# Altium PCB OctopusPB_r0101.PcbDoc (part 1 of 11) (continued)
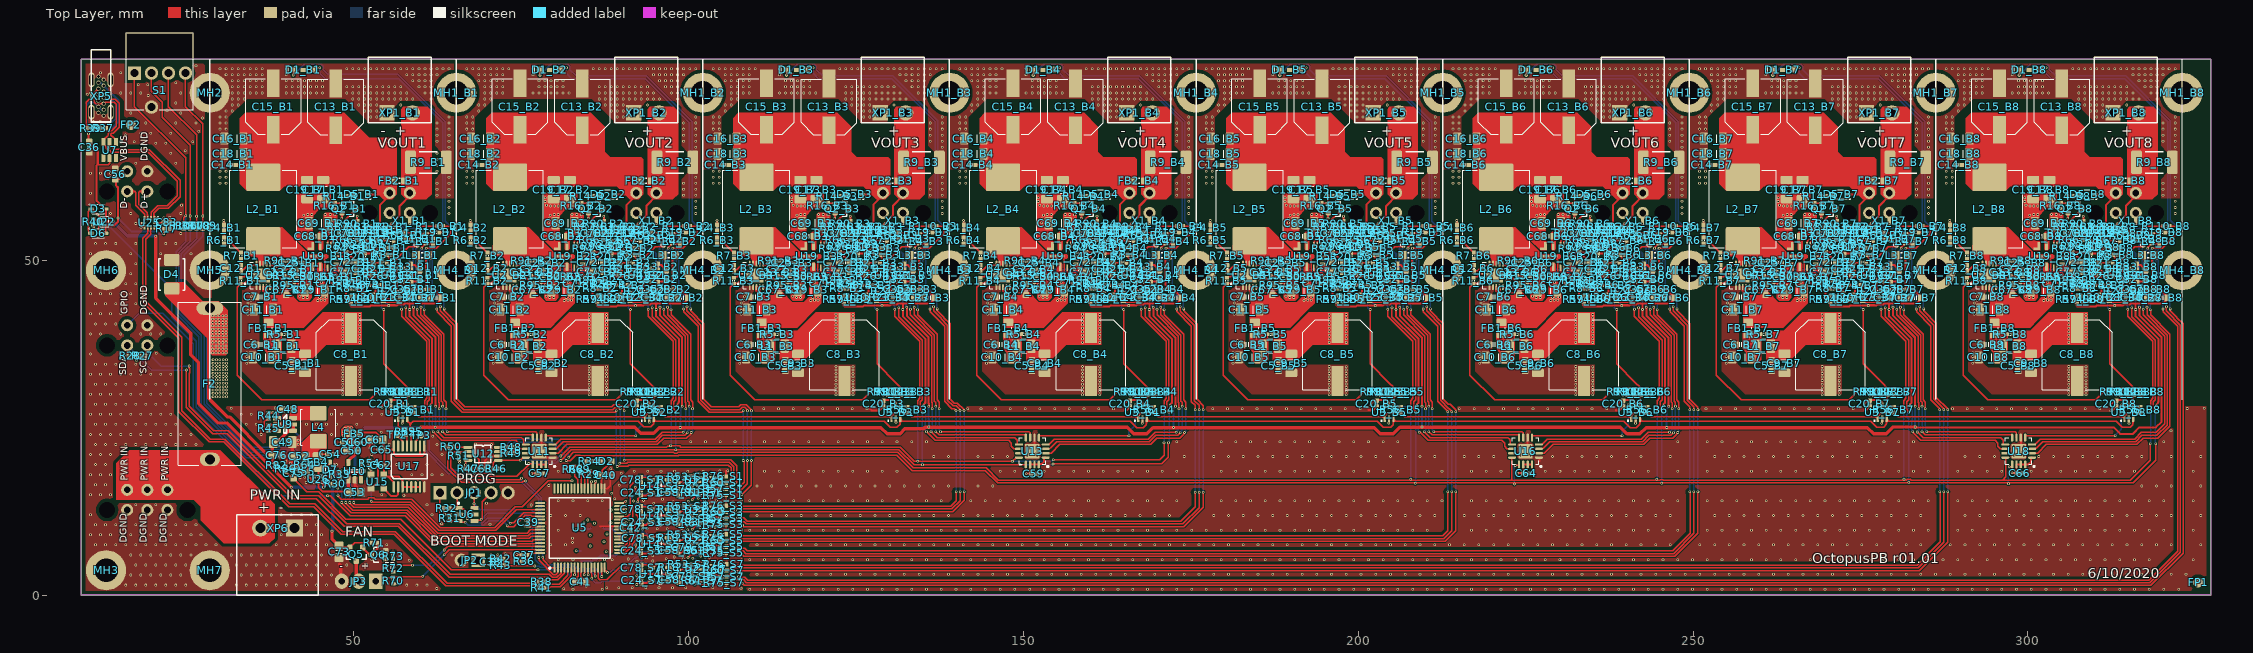
[diagram p0: Top Layer view]
## Classes and differential pairs (continued)
component class B2: C2_B2 C3_B2 C4_B2 C5_B2 C6_B2 C7_B2 C8_B2 C9_B2 C10_B2 C11_B2 C12_B2 C13_B2 C14_B2 C15_B2 C16_B2 C17_B2 C18_B2 C19_B2 C20_B2 C21_B2 C22_B2 C23_B2 C25_B2 C26_B2 C27_B2 C28_B2 C29_B2 C30_B2 C31_B2 C32_B2 C33_B2 C34_B2 C35_B2 C67_B2 C68_B2 C69_B2 C70_B2 C71_B2 C72_B2 C74_B2 C77_B2 D1_B2 D5_B2 FB1_B2 FB2_B2 L1_B2 L2_B2 L3_B2 MH1_B2 MH4_B2 Q1_B2 Q2_B2 R1_B2 R2_B2 R3_B2 R4_B2 R5_B2 R6_B2 R7_B2 R8_B2 R9_B2 R10_B2 R11_B2 R12_B2 R13_B2 R14_B2 R15_B2 R16_B2 R19_B2 R20_B2 R21_B2 R22_B2 R23_B2 R24_B2 R25_B2 R26_B2 R56_B2 R58_B2 R59_B2 R62_B2 R63_B2 R65_B2 R66_B2 R67_B2 R74_B2 R83_B2 R87_B2 R90_B2 R91_B2 R94_B2 R95_B2 R98_B2 R99_B2 R102_B2 R103_B2 R110_B2 U1_B2 U2_B2 U3_B2 U4_B2 U19_B2 U20_B2 X1_B2 XP1_B2 XP2_B2
component class B1: C2_B1 C3_B1 C4_B1 C5_B1 C6_B1 C7_B1 C8_B1 C9_B1 C10_B1 C11_B1 C12_B1 C13_B1 C14_B1 C15_B1 C16_B1 C17_B1 C18_B1 C19_B1 C20_B1 C21_B1 C22_B1 C23_B1 C25_B1 C26_B1 C27_B1 C28_B1 C29_B1 C30_B1 C31_B1 C32_B1 C33_B1 C34_B1 C35_B1 C67_B1 C68_B1 C69_B1 C70_B1 C71_B1 C72_B1 C74_B1 C77_B1 D1_B1 D5_B1 FB1_B1 FB2_B1 L1_B1 L2_B1 L3_B1 MH1_B1 MH4_B1 Q1_B1 Q2_B1 R1_B1 R2_B1 R3_B1 R4_B1 R5_B1 R6_B1 R7_B1 R8_B1 R9_B1 R10_B1 R11_B1 R12_B1 R13_B1 R14_B1 R15_B1 R16_B1 R19_B1 R20_B1 R21_B1 R22_B1 R23_B1 R24_B1 R25_B1 R26_B1 R56_B1 R58_B1 R59_B1 R62_B1 R63_B1 R65_B1 R66_B1 R67_B1 R74_B1 R83_B1 R87_B1 R90_B1 R91_B1 R94_B1 R95_B1 R98_B1 R99_B1 R102_B1 R103_B1 R110_B1 U1_B1 U2_B1 U3_B1 U4_B1 U19_B1 U20_B1 X1_B1 XP1_B1 XP2_B1
channel class BuckConverter: B1 B2 B3 B4 B5 B6 B7 B8
net class VOUT_CH[1..8]: VOUT_CH1 VOUT_CH2 VOUT_CH3 VOUT_CH4 VOUT_CH5 VOUT_CH6 VOUT_CH7 VOUT_CH8
component class Control: C1 C37 C38 C39 C40 C41 C42 C43 C44 C45 C46 C47 C73 D2 D? F? FB3 FP1 FP2 JP1 JP2 JP3 JP? L? MH2 MH3 MH5 MH6 MH7 Q5 Q6 R27 R28 R29 R30 R31 R32 R33 R34 R36 R38 R41 R42 R43 R68 R69 R70 R71 R72 R73 R106 R107 R108 R109 S1 U5 U6 U8 U? X3 XP3 XP?
differential pair METER_USB_D: +METER_USB_D_P -METER_USB_D_N
differential pair CUSB_D: +CUSB_D_P -CUSB_D_N
differential pair MCU_USB_D: +MCU_USB_D_P -MCU_USB_D_N

## Components (designator, comment, footprint, x,y, rotation, side; value= is the part's Value field where it differs from the comment)
C1 "100n" CC0402M 86.7,6.185 r90 bottom
C2_B1 "510p" CC0402M 55.925,54 r180 top (schematic designator C2)
C2_B2 "510p" CC0402M 92.75,54 r180 top (schematic designator C2)
C2_B3 "510p" CC0402M 129.575,54 r180 top (schematic designator C2)
C2_B4 "510p" CC0402M 166.4,54 r180 top (schematic designator C2)
C2_B5 "510p" CC0402M 203.225,54 r180 top (schematic designator C2)
C2_B6 "510p" CC0402M 240.05,54 r180 top (schematic designator C2)
C2_B7 "510p" CC0402M 276.875,54 r180 top (schematic designator C2)
C2_B8 "510p" CC0402M 313.7,54 r180 top (schematic designator C2)
C3_B1 "100n" CC0402M 55.5,51.8 r0 top (schematic designator C3)
C3_B2 "100n" CC0402M 92.325,51.8 r0 top (schematic designator C3)
C3_B3 "100n" CC0402M 129.15,51.8 r0 top (schematic designator C3)
C3_B4 "100n" CC0402M 165.975,51.8 r0 top (schematic designator C3)
C3_B5 "100n" CC0402M 202.8,51.8 r0 top (schematic designator C3)
C3_B6 "100n" CC0402M 239.625,51.8 r0 top (schematic designator C3)
C3_B7 "100n" CC0402M 276.45,51.8 r0 top (schematic designator C3)
C3_B8 "100n" CC0402M 313.275,51.8 r0 top (schematic designator C3)
C4_B1 "39p" CC0402M 30.625,54.865 r90 top (schematic designator C4)
C4_B2 "39p" CC0402M 67.45,54.865 r90 top (schematic designator C4)
C4_B3 "39p" CC0402M 104.275,54.865 r90 top (schematic designator C4)
C4_B4 "39p" CC0402M 141.1,54.865 r90 top (schematic designator C4)
C4_B5 "39p" CC0402M 177.925,54.865 r90 top (schematic designator C4)
C4_B6 "39p" CC0402M 214.75,54.865 r90 top (schematic designator C4)
C4_B7 "39p" CC0402M 251.575,54.865 r90 top (schematic designator C4)
C4_B8 "39p" CC0402M 288.4,54.865 r90 top (schematic designator C4)
C5_B1 "10n" CC0603M 40.8,34.275 r270 top (schematic designator C5)
C5_B2 "10n" CC0603M 77.625,34.275 r270 top (schematic designator C5)
C5_B3 "10n" CC0603M 114.45,34.275 r270 top (schematic designator C5)
C5_B4 "10n" CC0603M 151.275,34.275 r270 top (schematic designator C5)
C5_B5 "10n" CC0603M 188.1,34.275 r270 top (schematic designator C5)
C5_B6 "10n" CC0603M 224.925,34.275 r270 top (schematic designator C5)
C5_B7 "10n" CC0603M 261.75,34.275 r270 top (schematic designator C5)
C5_B8 "10n" CC0603M 298.575,34.275 r270 top (schematic designator C5)
C6_B1 "10n" CC0603M 36.18,37.4 r180 top (schematic designator C6)
C6_B2 "10n" CC0603M 73.005,37.4 r180 top (schematic designator C6)
C6_B3 "10n" CC0603M 109.83,37.4 r180 top (schematic designator C6)
C6_B4 "10n" CC0603M 146.655,37.4 r180 top (schematic designator C6)
C6_B5 "10n" CC0603M 183.48,37.4 r180 top (schematic designator C6)
C6_B6 "10n" CC0603M 220.305,37.4 r180 top (schematic designator C6)
C6_B7 "10n" CC0603M 257.13,37.4 r180 top (schematic designator C6)
C6_B8 "10n" CC0603M 293.955,37.4 r180 top (schematic designator C6)
C7_B1 "10n" CC0603M 36.177,44.539 r180 top (schematic designator C7)
C7_B2 "10n" CC0603M 73.002,44.539 r180 top (schematic designator C7)
C7_B3 "10n" CC0603M 109.827,44.539 r180 top (schematic designator C7)
C7_B4 "10n" CC0603M 146.652,44.539 r180 top (schematic designator C7)
C7_B5 "10n" CC0603M 183.477,44.539 r180 top (schematic designator C7)
C7_B6 "10n" CC0603M 220.302,44.539 r180 top (schematic designator C7)
C7_B7 "10n" CC0603M 257.127,44.539 r180 top (schematic designator C7)
C7_B8 "10n" CC0603M 293.952,44.539 r180 top (schematic designator C7)
C8_B1 "330u" CA-D10H10.5-SMD 49.6,35.925 r90 top (schematic designator C8)
C8_B2 "330u" CA-D10H10.5-SMD 86.425,35.925 r90 top (schematic designator C8)
C8_B3 "330u" CA-D10H10.5-SMD 123.25,35.925 r90 top (schematic designator C8)
C8_B4 "330u" CA-D10H10.5-SMD 160.075,35.925 r90 top (schematic designator C8)
C8_B5 "330u" CA-D10H10.5-SMD 196.9,35.925 r90 top (schematic designator C8)
C8_B6 "330u" CA-D10H10.5-SMD 233.725,35.925 r90 top (schematic designator C8)
C8_B7 "330u" CA-D10H10.5-SMD 270.55,35.925 r90 top (schematic designator C8)
C8_B8 "330u" CA-D10H10.5-SMD 307.375,35.925 r90 top (schematic designator C8)
C9_B1 "22u" CC1206M 42.7,34.6 r270 top (schematic designator C9)
C9_B2 "22u" CC1206M 79.525,34.6 r270 top (schematic designator C9)
C9_B3 "22u" CC1206M 116.35,34.6 r270 top (schematic designator C9)
C9_B4 "22u" CC1206M 153.175,34.6 r270 top (schematic designator C9)
C9_B5 "22u" CC1206M 190,34.6 r270 top (schematic designator C9)
C9_B6 "22u" CC1206M 226.825,34.6 r270 top (schematic designator C9)
C9_B7 "22u" CC1206M 263.65,34.6 r270 top (schematic designator C9)
C9_B8 "22u" CC1206M 300.475,34.6 r270 top (schematic designator C9)
C10_B1 "22u" CC1206M 36.332,35.489 r180 top (schematic designator C10)
C10_B2 "22u" CC1206M 73.157,35.489 r180 top (schematic designator C10)
C10_B3 "22u" CC1206M 109.982,35.489 r180 top (schematic designator C10)
C10_B4 "22u" CC1206M 146.807,35.489 r180 top (schematic designator C10)
C10_B5 "22u" CC1206M 183.632,35.489 r180 top (schematic designator C10)
C10_B6 "22u" CC1206M 220.457,35.489 r180 top (schematic designator C10)
C10_B7 "22u" CC1206M 257.282,35.489 r180 top (schematic designator C10)
C10_B8 "22u" CC1206M 294.107,35.489 r180 top (schematic designator C10)
C11_B1 "22u" CC1206M 36.502,42.639 r180 top (schematic designator C11)
C11_B2 "22u" CC1206M 73.327,42.639 r180 top (schematic designator C11)
C11_B3 "22u" CC1206M 110.152,42.639 r180 top (schematic designator C11)
C11_B4 "22u" CC1206M 146.977,42.639 r180 top (schematic designator C11)
C11_B5 "22u" CC1206M 183.802,42.639 r180 top (schematic designator C11)
C11_B6 "22u" CC1206M 220.627,42.639 r180 top (schematic designator C11)
C11_B7 "22u" CC1206M 257.452,42.639 r180 top (schematic designator C11)
C11_B8 "22u" CC1206M 294.277,42.639 r180 top (schematic designator C11)
C12_B1 "100n" CC0402M 33.125,48.8 r270 top (schematic designator C12)
C12_B2 "100n" CC0402M 69.95,48.8 r270 top (schematic designator C12)
C12_B3 "100n" CC0402M 106.775,48.8 r270 top (schematic designator C12)
C12_B4 "100n" CC0402M 143.6,48.8 r270 top (schematic designator C12)
C12_B5 "100n" CC0402M 180.425,48.8 r270 top (schematic designator C12)
C12_B6 "100n" CC0402M 217.25,48.8 r270 top (schematic designator C12)
C12_B7 "100n" CC0402M 254.075,48.8 r270 top (schematic designator C12)
C12_B8 "100n" CC0402M 290.9,48.8 r270 top (schematic designator C12)
C13_B1 "390u" CA-D8H12-SMD 47.3,72.9 r270 top (schematic designator C13)
C13_B2 "390u" CA-D8H12-SMD 84.125,72.9 r270 top (schematic designator C13)
C13_B3 "390u" CA-D8H12-SMD 120.95,72.9 r270 top (schematic designator C13)
C13_B4 "390u" CA-D8H12-SMD 157.775,72.9 r270 top (schematic designator C13)
C13_B5 "390u" CA-D8H12-SMD 194.6,72.9 r270 top (schematic designator C13)
C13_B6 "390u" CA-D8H12-SMD 231.425,72.9 r270 top (schematic designator C13)
C13_B7 "390u" CA-D8H12-SMD 268.25,72.9 r270 top (schematic designator C13)
C13_B8 "390u" CA-D8H12-SMD 305.075,72.9 r270 top (schematic designator C13)
C14_B1 "100n" CC0402M 31.925,64.225 r180 top (schematic designator C14)
C14_B2 "100n" CC0402M 68.75,64.225 r180 top (schematic designator C14)
C14_B3 "100n" CC0402M 105.575,64.225 r180 top (schematic designator C14)
C14_B4 "100n" CC0402M 142.4,64.225 r180 top (schematic designator C14)
C14_B5 "100n" CC0402M 179.225,64.225 r180 top (schematic designator C14)
C14_B6 "100n" CC0402M 216.05,64.225 r180 top (schematic designator C14)
C14_B7 "100n" CC0402M 252.875,64.225 r180 top (schematic designator C14)
C14_B8 "100n" CC0402M 289.7,64.225 r180 top (schematic designator C14)
C15_B1 "390u" CA-D8H12-SMD 37.975,72.95 r270 top (schematic designator C15)
C15_B2 "390u" CA-D8H12-SMD 74.8,72.95 r270 top (schematic designator C15)
C15_B3 "390u" CA-D8H12-SMD 111.625,72.95 r270 top (schematic designator C15)
C15_B4 "390u" CA-D8H12-SMD 148.45,72.95 r270 top (schematic designator C15)
C15_B5 "390u" CA-D8H12-SMD 185.275,72.95 r270 top (schematic designator C15)
C15_B6 "390u" CA-D8H12-SMD 222.1,72.95 r270 top (schematic designator C15)
C15_B7 "390u" CA-D8H12-SMD 258.925,72.95 r270 top (schematic designator C15)
C15_B8 "390u" CA-D8H12-SMD 295.75,72.95 r270 top (schematic designator C15)
C16_B1 "22u" CC1206M 32.092,68.169 r180 top (schematic designator C16)
C16_B2 "22u" CC1206M 68.917,68.169 r180 top (schematic designator C16)
C16_B3 "22u" CC1206M 105.742,68.169 r180 top (schematic designator C16)
C16_B4 "22u" CC1206M 142.567,68.169 r180 top (schematic designator C16)
C16_B5 "22u" CC1206M 179.392,68.169 r180 top (schematic designator C16)
C16_B6 "22u" CC1206M 216.217,68.169 r180 top (schematic designator C16)
C16_B7 "22u" CC1206M 253.042,68.169 r180 top (schematic designator C16)
C16_B8 "22u" CC1206M 289.867,68.169 r180 top (schematic designator C16)
C17_B1 "22u" CC1206M 45.425,60.55 r270 top (schematic designator C17)
C17_B2 "22u" CC1206M 82.25,60.55 r270 top (schematic designator C17)
C17_B3 "22u" CC1206M 119.075,60.55 r270 top (schematic designator C17)
C17_B4 "22u" CC1206M 155.9,60.55 r270 top (schematic designator C17)
C17_B5 "22u" CC1206M 192.725,60.55 r270 top (schematic designator C17)
C17_B6 "22u" CC1206M 229.55,60.55 r270 top (schematic designator C17)
C17_B7 "22u" CC1206M 266.375,60.55 r270 top (schematic designator C17)
C17_B8 "22u" CC1206M 303.2,60.55 r270 top (schematic designator C17)
C18_B1 "22u" CC1206M 32.092,65.883 r180 top (schematic designator C18)
C18_B2 "22u" CC1206M 68.917,65.883 r180 top (schematic designator C18)
C18_B3 "22u" CC1206M 105.742,65.883 r180 top (schematic designator C18)
C18_B4 "22u" CC1206M 142.567,65.883 r180 top (schematic designator C18)
C18_B5 "22u" CC1206M 179.392,65.883 r180 top (schematic designator C18)
C18_B6 "22u" CC1206M 216.217,65.883 r180 top (schematic designator C18)
C18_B7 "22u" CC1206M 253.042,65.883 r180 top (schematic designator C18)
C18_B8 "22u" CC1206M 289.867,65.883 r180 top (schematic designator C18)
C19_B1 "22u" CC1206M 43.025,60.55 r270 top (schematic designator C19)
C19_B2 "22u" CC1206M 79.85,60.55 r270 top (schematic designator C19)
C19_B3 "22u" CC1206M 116.675,60.55 r270 top (schematic designator C19)
C19_B4 "22u" CC1206M 153.5,60.55 r270 top (schematic designator C19)
C19_B5 "22u" CC1206M 190.325,60.55 r270 top (schematic designator C19)
C19_B6 "22u" CC1206M 227.15,60.55 r270 top (schematic designator C19)
C19_B7 "22u" CC1206M 263.975,60.55 r270 top (schematic designator C19)
C19_B8 "22u" CC1206M 300.8,60.55 r270 top (schematic designator C19)
C20_B1 "100n" CC0402M 55.45,28.6 r270 top (schematic designator C20)
C20_B2 "100n" CC0402M 92.275,28.6 r270 top (schematic designator C20)
C20_B3 "100n" CC0402M 129.1,28.6 r270 top (schematic designator C20)
C20_B4 "100n" CC0402M 165.925,28.6 r270 top (schematic designator C20)
C20_B5 "100n" CC0402M 202.75,28.6 r270 top (schematic designator C20)
C20_B6 "100n" CC0402M 239.575,28.6 r270 top (schematic designator C20)
C20_B7 "100n" CC0402M 276.4,28.6 r270 top (schematic designator C20)
C20_B8 "100n" CC0402M 313.225,28.6 r270 top (schematic designator C20)
C21_B1 "510p" CC0402M 52.025,54.05 r0 top (schematic designator C21)
C21_B2 "510p" CC0402M 88.85,54.05 r0 top (schematic designator C21)
C21_B3 "510p" CC0402M 125.675,54.05 r0 top (schematic designator C21)
C21_B4 "510p" CC0402M 162.5,54.05 r0 top (schematic designator C21)
C21_B5 "510p" CC0402M 199.325,54.05 r0 top (schematic designator C21)
C21_B6 "510p" CC0402M 236.15,54.05 r0 top (schematic designator C21)
C21_B7 "510p" CC0402M 272.975,54.05 r0 top (schematic designator C21)
C21_B8 "510p" CC0402M 309.8,54.05 r0 top (schematic designator C21)
C22_B1 "1.2n" CC0402M 41.077,48.639 r0 top (schematic designator C22)
C22_B2 "1.2n" CC0402M 77.902,48.639 r0 top (schematic designator C22)
C22_B3 "1.2n" CC0402M 114.727,48.639 r0 top (schematic designator C22)
C22_B4 "1.2n" CC0402M 151.552,48.639 r0 top (schematic designator C22)
C22_B5 "1.2n" CC0402M 188.377,48.639 r0 top (schematic designator C22)
C22_B6 "1.2n" CC0402M 225.202,48.639 r0 top (schematic designator C22)
C22_B7 "1.2n" CC0402M 262.027,48.639 r0 top (schematic designator C22)
C22_B8 "1.2n" CC0402M 298.852,48.639 r0 top (schematic designator C22)
C23_B1 "39p" CC0402M 39.602,48.189 r270 top (schematic designator C23)
C23_B2 "39p" CC0402M 76.427,48.189 r270 top (schematic designator C23)
C23_B3 "39p" CC0402M 113.252,48.189 r270 top (schematic designator C23)
C23_B4 "39p" CC0402M 150.077,48.189 r270 top (schematic designator C23)
C23_B5 "39p" CC0402M 186.902,48.189 r270 top (schematic designator C23)
C23_B6 "39p" CC0402M 223.727,48.189 r270 top (schematic designator C23)
C23_B7 "39p" CC0402M 260.552,48.189 r270 top (schematic designator C23)
C23_B8 "39p" CC0402M 297.377,48.189 r270 top (schematic designator C23)
C24_S1 "100n" CC0402M 92.9,15.295 r270 top (schematic designator C24)
C24_S2 "100n" CC0402M 92.853,17.363 r90 bottom (schematic designator C24)
C24_S3 "100n" CC0402M 93,10.9 r270 top (schematic designator C24)
C24_S4 "100n" CC0402M 92.925,12.95 r90 bottom (schematic designator C24)
C24_S5 "100n" CC0402M 92.895,6.645 r270 top (schematic designator C24)
C24_S6 "100n" CC0402M 92.955,8.665 r90 bottom (schematic designator C24)
C24_S7 "100n" CC0402M 92.97,2.195 r270 top (schematic designator C24)
C24_S8 "100n" CC0402M 93,4.275 r90 bottom (schematic designator C24)
C25_B1 "1.8n" CC0402M 41.85,49.65 r0 top (schematic designator C25)
C25_B2 "1.8n" CC0402M 78.675,49.65 r0 top (schematic designator C25)
C25_B3 "1.8n" CC0402M 115.5,49.65 r0 top (schematic designator C25)
C25_B4 "1.8n" CC0402M 152.325,49.65 r0 top (schematic designator C25)
C25_B5 "1.8n" CC0402M 189.15,49.65 r0 top (schematic designator C25)
C25_B6 "1.8n" CC0402M 225.975,49.65 r0 top (schematic designator C25)
C25_B7 "1.8n" CC0402M 262.8,49.65 r0 top (schematic designator C25)
C25_B8 "1.8n" CC0402M 299.625,49.65 r0 top (schematic designator C25)
C26_B1 "1u" CC0603M 52.85,48.75 r270 top (schematic designator C26)
C26_B2 "1u" CC0603M 89.675,48.75 r270 top (schematic designator C26)
C26_B3 "1u" CC0603M 126.5,48.75 r270 top (schematic designator C26)
C26_B4 "1u" CC0603M 163.325,48.75 r270 top (schematic designator C26)
C26_B5 "1u" CC0603M 200.15,48.75 r270 top (schematic designator C26)
C26_B6 "1u" CC0603M 236.975,48.75 r270 top (schematic designator C26)
C26_B7 "1u" CC0603M 273.8,48.75 r270 top (schematic designator C26)
C26_B8 "1u" CC0603M 310.625,48.75 r270 top (schematic designator C26)
C27_B1 "10u" CC0603M 62.3,44.4 r180 top (schematic designator C27)
C27_B2 "10u" CC0603M 99.125,44.4 r180 top (schematic designator C27)
C27_B3 "10u" CC0603M 135.95,44.4 r180 top (schematic designator C27)
C27_B4 "10u" CC0603M 172.775,44.4 r180 top (schematic designator C27)
C27_B5 "10u" CC0603M 209.6,44.4 r180 top (schematic designator C27)
C27_B6 "10u" CC0603M 246.425,44.4 r180 top (schematic designator C27)
C27_B7 "10u" CC0603M 283.25,44.4 r180 top (schematic designator C27)
C27_B8 "10u" CC0603M 320.075,44.4 r180 top (schematic designator C27)
C28_B1 "100n" CC0402M 60.5,45.65 r180 top (schematic designator C28)
C28_B2 "100n" CC0402M 97.325,45.65 r180 top (schematic designator C28)
C28_B3 "100n" CC0402M 134.15,45.65 r180 top (schematic designator C28)
C28_B4 "100n" CC0402M 170.975,45.65 r180 top (schematic designator C28)
C28_B5 "100n" CC0402M 207.8,45.65 r180 top (schematic designator C28)
C28_B6 "100n" CC0402M 244.625,45.65 r180 top (schematic designator C28)
C28_B7 "100n" CC0402M 281.45,45.65 r180 top (schematic designator C28)
C28_B8 "100n" CC0402M 318.275,45.65 r180 top (schematic designator C28)
C29_B1 "22u" CC1206M 44.125,45.575 r180 top (schematic designator C29)
C29_B2 "22u" CC1206M 80.95,45.575 r180 top (schematic designator C29)
C29_B3 "22u" CC1206M 117.775,45.575 r180 top (schematic designator C29)
C29_B4 "22u" CC1206M 154.6,45.575 r180 top (schematic designator C29)
C29_B5 "22u" CC1206M 191.425,45.575 r180 top (schematic designator C29)
C29_B6 "22u" CC1206M 228.25,45.575 r180 top (schematic designator C29)
C29_B7 "22u" CC1206M 265.075,45.575 r180 top (schematic designator C29)
C29_B8 "22u" CC1206M 301.9,45.575 r180 top (schematic designator C29)
C30_B1 "100n" CC0603M 44.025,47.5 r180 top (schematic designator C30)
C30_B2 "100n" CC0603M 80.85,47.5 r180 top (schematic designator C30)
C30_B3 "100n" CC0603M 117.675,47.5 r180 top (schematic designator C30)
C30_B4 "100n" CC0603M 154.5,47.5 r180 top (schematic designator C30)
C30_B5 "100n" CC0603M 191.325,47.5 r180 top (schematic designator C30)
C30_B6 "100n" CC0603M 228.15,47.5 r180 top (schematic designator C30)
C30_B7 "100n" CC0603M 264.975,47.5 r180 top (schematic designator C30)
C30_B8 "100n" CC0603M 301.8,47.5 r180 top (schematic designator C30)
C31_B1 "10u" CC0603M 59.8,47.775 r270 top (schematic designator C31)
C31_B2 "10u" CC0603M 96.625,47.775 r270 top (schematic designator C31)
C31_B3 "10u" CC0603M 133.45,47.775 r270 top (schematic designator C31)
C31_B4 "10u" CC0603M 170.275,47.775 r270 top (schematic designator C31)
C31_B5 "10u" CC0603M 207.1,47.775 r270 top (schematic designator C31)
C31_B6 "10u" CC0603M 243.925,47.775 r270 top (schematic designator C31)
C31_B7 "10u" CC0603M 280.75,47.775 r270 top (schematic designator C31)
C31_B8 "10u" CC0603M 317.575,47.775 r270 top (schematic designator C31)
C32_B1 "100n" CC0402M 58.575,47.15 r270 top (schematic designator C32)
C32_B2 "100n" CC0402M 95.4,47.15 r270 top (schematic designator C32)
C32_B3 "100n" CC0402M 132.225,47.15 r270 top (schematic designator C32)
C32_B4 "100n" CC0402M 169.05,47.15 r270 top (schematic designator C32)
C32_B5 "100n" CC0402M 205.875,47.15 r270 top (schematic designator C32)
C32_B6 "100n" CC0402M 242.7,47.15 r270 top (schematic designator C32)
C32_B7 "100n" CC0402M 279.525,47.15 r270 top (schematic designator C32)
C32_B8 "100n" CC0402M 316.35,47.15 r270 top (schematic designator C32)
C33_B1 "1n" CC0402M 58.55,49.025 r270 top (schematic designator C33)
C33_B2 "1n" CC0402M 95.375,49.025 r270 top (schematic designator C33)
C33_B3 "1n" CC0402M 132.2,49.025 r270 top (schematic designator C33)
C33_B4 "1n" CC0402M 169.025,49.025 r270 top (schematic designator C33)
C33_B5 "1n" CC0402M 205.85,49.025 r270 top (schematic designator C33)
C33_B6 "1n" CC0402M 242.675,49.025 r270 top (schematic designator C33)
C33_B7 "1n" CC0402M 279.5,49.025 r270 top (schematic designator C33)
C33_B8 "1n" CC0402M 316.325,49.025 r270 top (schematic designator C33)
C34_B1 "10u" CC0603M 59.2,44.4 r0 top (schematic designator C34)
C34_B2 "10u" CC0603M 96.025,44.4 r0 top (schematic designator C34)
C34_B3 "10u" CC0603M 132.85,44.4 r0 top (schematic designator C34)
C34_B4 "10u" CC0603M 169.675,44.4 r0 top (schematic designator C34)
C34_B5 "10u" CC0603M 206.5,44.4 r0 top (schematic designator C34)
C34_B6 "10u" CC0603M 243.325,44.4 r0 top (schematic designator C34)
C34_B7 "10u" CC0603M 280.15,44.4 r0 top (schematic designator C34)
C34_B8 "10u" CC0603M 316.975,44.4 r0 top (schematic designator C34)
C35_B1 "100n" CC0402M 58.575,45.65 r0 top (schematic designator C35)
C35_B2 "100n" CC0402M 95.4,45.65 r0 top (schematic designator C35)
C35_B3 "100n" CC0402M 132.225,45.65 r0 top (schematic designator C35)
C35_B4 "100n" CC0402M 169.05,45.65 r0 top (schematic designator C35)
C35_B5 "100n" CC0402M 205.875,45.65 r0 top (schematic designator C35)
C35_B6 "100n" CC0402M 242.7,45.65 r0 top (schematic designator C35)
C35_B7 "100n" CC0402M 279.525,45.65 r0 top (schematic designator C35)
C35_B8 "100n" CC0402M 316.35,45.65 r0 top (schematic designator C35)
C36 "1u" CC0603M 10.5,66.9 r270 top
C37 "10n" CC0402M 75.475,5.975 r180 top
C38 "1n" CC0402M 70.47,4.965 r90 top
C39 "100n" CC0402M 76.05,10.85 r90 top
C40 "1u" CC0603M 87.65,17.9 r0 top
C41 "1u" CC0603M 83.85,2 r0 top
C42 "100n" CC0402M 91.375,10.075 r90 top
C43 "1u" CC0603M 85.425,5.875 r90 bottom
C44 "100n" CC0402M 91.25,8.575 r270 bottom
C45 "1u" CC0603M 83.925,8.95 r270 bottom
C46 "10u" CC0603M 88.7,8.95 r270 bottom
C47 "100n" CC0402M 89.95,8.325 r270 bottom
C48 "100n" CC0603M 40.1,27.75 r0 top
C49 "22u" CC1206M 39.375,22.825 r0 top
C50 "10u" CC0603M 49.65,21.525 r180 top
C51 "100n" CC0402M 48.7,22.8 r180 top
C52 "22u" CC0805M 41.825,20.7 r180 top
C53 "22u" CC0805M 50.1,15.35 r0 top
C54 "100n" CC0402M 46.475,21.025 r0 top
C55 "100n" CC0402M 42.675,18.425 r180 top
C56 "1u" CC0603M 14.375,62.875 r90 top
C57 "100n" CC0402M 77.775,18.15 r0 top
C58_S1 "10n" CC0402M 98.45,15.36 r270 top (schematic designator C58)
C58_S2 "10n" CC0402M 98.403,17.298 r90 bottom (schematic designator C58)
C58_S3 "10n" CC0402M 98.45,10.965 r270 top (schematic designator C58)
C58_S4 "10n" CC0402M 98.475,12.885 r90 bottom (schematic designator C58)
C58_S5 "10n" CC0402M 98.445,6.71 r270 top (schematic designator C58)
C58_S6 "10n" CC0402M 98.505,8.65 r90 bottom (schematic designator C58)
C58_S7 "10n" CC0402M 98.52,2.26 r270 top (schematic designator C58)
C58_S8 "10n" CC0402M 98.55,4.21 r90 bottom (schematic designator C58)
C59 "100n" CC0402M 151.565,18.1 r0 top
C60 "100n" CC0402M 50.6,22.8 r0 top
C61 "10u" CC0805M 53.325,23.2 r180 top
C62 "10n" CC0402M 54.075,19.35 r180 top
C63 "100n" CC0402M 69.109,18.859 r0 top
C64 "100n" CC0402M 225.075,18.15 r0 top
C65 "100n" CC0402M 54.15,21.725 r180 top
C66 "100n" CC0402M 298.8,18.2 r0 top
C67_B1 "1u" CC0603M 39.875,45.625 r90 top (schematic designator C67)
C67_B2 "1u" CC0603M 76.7,45.625 r90 top (schematic designator C67)
C67_B3 "1u" CC0603M 113.525,45.625 r90 top (schematic designator C67)
C67_B4 "1u" CC0603M 150.35,45.625 r90 top (schematic designator C67)
C67_B5 "1u" CC0603M 187.175,45.625 r90 top (schematic designator C67)
C67_B6 "1u" CC0603M 224,45.625 r90 top (schematic designator C67)
C67_B7 "1u" CC0603M 260.825,45.625 r90 top (schematic designator C67)
C67_B8 "1u" CC0603M 297.65,45.625 r90 top (schematic designator C67)
C68_B1 "100n" CC0603M 44.2,53.6 r180 top (schematic designator C68)
C68_B2 "100n" CC0603M 81.025,53.6 r180 top (schematic designator C68)
C68_B3 "100n" CC0603M 117.85,53.6 r180 top (schematic designator C68)
C68_B4 "100n" CC0603M 154.675,53.6 r180 top (schematic designator C68)
C68_B5 "100n" CC0603M 191.5,53.6 r180 top (schematic designator C68)
C68_B6 "100n" CC0603M 228.325,53.6 r180 top (schematic designator C68)
C68_B7 "100n" CC0603M 265.15,53.6 r180 top (schematic designator C68)
C68_B8 "100n" CC0603M 301.975,53.6 r180 top (schematic designator C68)
C69_B1 "22u" CC1206M 44.725,55.525 r180 top (schematic designator C69)
C69_B2 "22u" CC1206M 81.55,55.525 r180 top (schematic designator C69)
C69_B3 "22u" CC1206M 118.375,55.525 r180 top (schematic designator C69)
C69_B4 "22u" CC1206M 155.2,55.525 r180 top (schematic designator C69)
C69_B5 "22u" CC1206M 192.025,55.525 r180 top (schematic designator C69)
C69_B6 "22u" CC1206M 228.85,55.525 r180 top (schematic designator C69)
C69_B7 "22u" CC1206M 265.675,55.525 r180 top (schematic designator C69)
C69_B8 "22u" CC1206M 302.5,55.525 r180 top (schematic designator C69)
C70_B1 "1n" CC0402M 50.125,54.025 r180 top (schematic designator C70)
C70_B2 "1n" CC0402M 86.95,54.025 r180 top (schematic designator C70)
C70_B3 "1n" CC0402M 123.775,54.025 r180 top (schematic designator C70)
C70_B4 "1n" CC0402M 160.6,54.025 r180 top (schematic designator C70)
C70_B5 "1n" CC0402M 197.425,54.025 r180 top (schematic designator C70)
C70_B6 "1n" CC0402M 234.25,54.025 r180 top (schematic designator C70)
C70_B7 "1n" CC0402M 271.075,54.025 r180 top (schematic designator C70)
C70_B8 "1n" CC0402M 307.9,54.025 r180 top (schematic designator C70)
C71_B1 "100n" CC0402M 47.475,46.525 r0 top (schematic designator C71)
C71_B2 "100n" CC0402M 84.3,46.525 r0 top (schematic designator C71)
C71_B3 "100n" CC0402M 121.125,46.525 r0 top (schematic designator C71)
C71_B4 "100n" CC0402M 157.95,46.525 r0 top (schematic designator C71)
C71_B5 "100n" CC0402M 194.775,46.525 r0 top (schematic designator C71)
C71_B6 "100n" CC0402M 231.6,46.525 r0 top (schematic designator C71)
C71_B7 "100n" CC0402M 268.425,46.525 r0 top (schematic designator C71)
C71_B8 "100n" CC0402M 305.25,46.525 r0 top (schematic designator C71)
C72_B1 "1u" CC0603M 49.6,49.725 r0 top (schematic designator C72)
C72_B2 "1u" CC0603M 86.425,49.725 r0 top (schematic designator C72)
C72_B3 "1u" CC0603M 123.25,49.725 r0 top (schematic designator C72)
C72_B4 "1u" CC0603M 160.075,49.725 r0 top (schematic designator C72)
C72_B5 "1u" CC0603M 196.9,49.725 r0 top (schematic designator C72)
C72_B6 "1u" CC0603M 233.725,49.725 r0 top (schematic designator C72)
C72_B7 "1u" CC0603M 270.55,49.725 r0 top (schematic designator C72)
C72_B8 "1u" CC0603M 307.375,49.725 r0 top (schematic designator C72)
C73 "22u" CC0805M 47.8,6.45 r270 top
C74_B1 "100n" CC0402M 53.72,46.275 r0 top (schematic designator C74)
C74_B2 "100n" CC0402M 90.545,46.275 r0 top (schematic designator C74)
C74_B3 "100n" CC0402M 127.37,46.275 r0 top (schematic designator C74)
C74_B4 "100n" CC0402M 164.195,46.275 r0 top (schematic designator C74)
C74_B5 "100n" CC0402M 201.02,46.275 r0 top (schematic designator C74)
C74_B6 "100n" CC0402M 237.845,46.275 r0 top (schematic designator C74)
C74_B7 "100n" CC0402M 274.67,46.275 r0 top (schematic designator C74)
C74_B8 "100n" CC0402M 311.495,46.275 r0 top (schematic designator C74)
C75 "100n" CC0603M 41,18.2 r90 top
C76 "100n" CC0603M 38.5,20.875 r0 top
C77_B1 "1u" CC0603M 49.6,48.25 r0 top (schematic designator C77)
C77_B2 "1u" CC0603M 86.425,48.25 r0 top (schematic designator C77)
C77_B3 "1u" CC0603M 123.25,48.25 r0 top (schematic designator C77)
C77_B4 "1u" CC0603M 160.075,48.25 r0 top (schematic designator C77)
C77_B5 "1u" CC0603M 196.9,48.25 r0 top (schematic designator C77)
C77_B6 "1u" CC0603M 233.725,48.25 r0 top (schematic designator C77)
C77_B7 "1u" CC0603M 270.55,48.25 r0 top (schematic designator C77)
C77_B8 "1u" CC0603M 307.375,48.25 r0 top (schematic designator C77)
C78_S1 "1n" CC0402M 92.875,17.185 r270 top (schematic designator C78)
C78_S2 "1n" CC0402M 92.828,15.473 r90 bottom (schematic designator C78)
C78_S3 "1n" CC0402M 92.875,12.79 r270 top (schematic designator C78)
C78_S4 "1n" CC0402M 92.9,11.06 r90 bottom (schematic designator C78)
C78_S5 "1n" CC0402M 93.045,8.485 r270 top (schematic designator C78)
C78_S6 "1n" CC0402M 92.93,6.825 r90 bottom (schematic designator C78)
C78_S7 "1n" CC0402M 92.945,4.085 r270 top (schematic designator C78)
C78_S8 "1n" CC0402M 92.975,2.385 r90 bottom (schematic designator C78)
C79_S1 "100n" CC0402M 100.45,15.76 r270 top (schematic designator C79)
C79_S2 "100n" CC0402M 100.403,16.898 r90 bottom (schematic designator C79)
C79_S3 "100n" CC0402M 100.45,11.365 r270 top (schematic designator C79)
C79_S4 "100n" CC0402M 100.475,12.485 r90 bottom (schematic designator C79)
C79_S5 "100n" CC0402M 100.445,7.11 r270 top (schematic designator C79)
C79_S6 "100n" CC0402M 100.505,8.25 r90 bottom (schematic designator C79)
C79_S7 "100n" CC0402M 100.52,2.785 r270 top (schematic designator C79)
C79_S8 "100n" CC0402M 100.55,3.81 r90 bottom (schematic designator C79)
C83 "100n" CC0402M 22.075,55.675 r0 top
D1_B1 "155124GS73200A" LED1206-RA 42.45,78.5 r0 top (schematic designator D1)
D1_B2 "155124GS73200A" LED1206-RA 79.275,78.5 r0 top (schematic designator D1)
D1_B3 "155124GS73200A" LED1206-RA 116.1,78.5 r0 top (schematic designator D1)
D1_B4 "155124GS73200A" LED1206-RA 152.925,78.5 r0 top (schematic designator D1)
D1_B5 "155124GS73200A" LED1206-RA 189.75,78.5 r0 top (schematic designator D1)
D1_B6 "155124GS73200A" LED1206-RA 226.575,78.5 r0 top (schematic designator D1)
D1_B7 "155124GS73200A" LED1206-RA 263.4,78.5 r0 top (schematic designator D1)
D1_B8 "155124GS73200A" LED1206-RA 300.225,78.5 r0 top (schematic designator D1)
D2 "150060GS75000" LED0603 87.7,19.975 r0 top
D3 "BAT54HT1G" SOD323 11.845,57.65 r0 top
D4 "SMBJ26A" SMB 22.8,47.9 r90 top
D5_B1 "MM3Z15VST1G" SOD323 51.15,59.825 r180 top (schematic designator D5)
D5_B2 "MM3Z15VST1G" SOD323 87.975,59.825 r180 top (schematic designator D5)
D5_B3 "MM3Z15VST1G" SOD323 124.8,59.825 r180 top (schematic designator D5)
D5_B4 "MM3Z15VST1G" SOD323 161.625,59.825 r180 top (schematic designator D5)
D5_B5 "MM3Z15VST1G" SOD323 198.45,59.825 r180 top (schematic designator D5)
D5_B6 "MM3Z15VST1G" SOD323 235.275,59.825 r180 top (schematic designator D5)
D5_B7 "MM3Z15VST1G" SOD323 272.1,59.825 r180 top (schematic designator D5)
D5_B8 "MM3Z15VST1G" SOD323 308.925,59.825 r180 top (schematic designator D5)
D6 "BAT54HT1G" SOD323 11.825,54.025 r0 top
D7 "BAT54HT1G" SOD323 46.45,18.725 r90 top
F2 "696108003002" 696108003002 28.5,20.25 r180 top locked
FB1_B1 "BLM21SP601SH1D" FB0805M 37.28,39.825 r90 top (schematic designator FB1)
FB1_B2 "BLM21SP601SH1D" FB0805M 74.105,39.825 r90 top (schematic designator FB1)
FB1_B3 "BLM21SP601SH1D" FB0805M 110.93,39.825 r90 top (schematic designator FB1)
FB1_B4 "BLM21SP601SH1D" FB0805M 147.755,39.825 r90 top (schematic designator FB1)